# Altium PCB TempdevAmmy0820.PcbDoc (part 2 of 3) (continued)
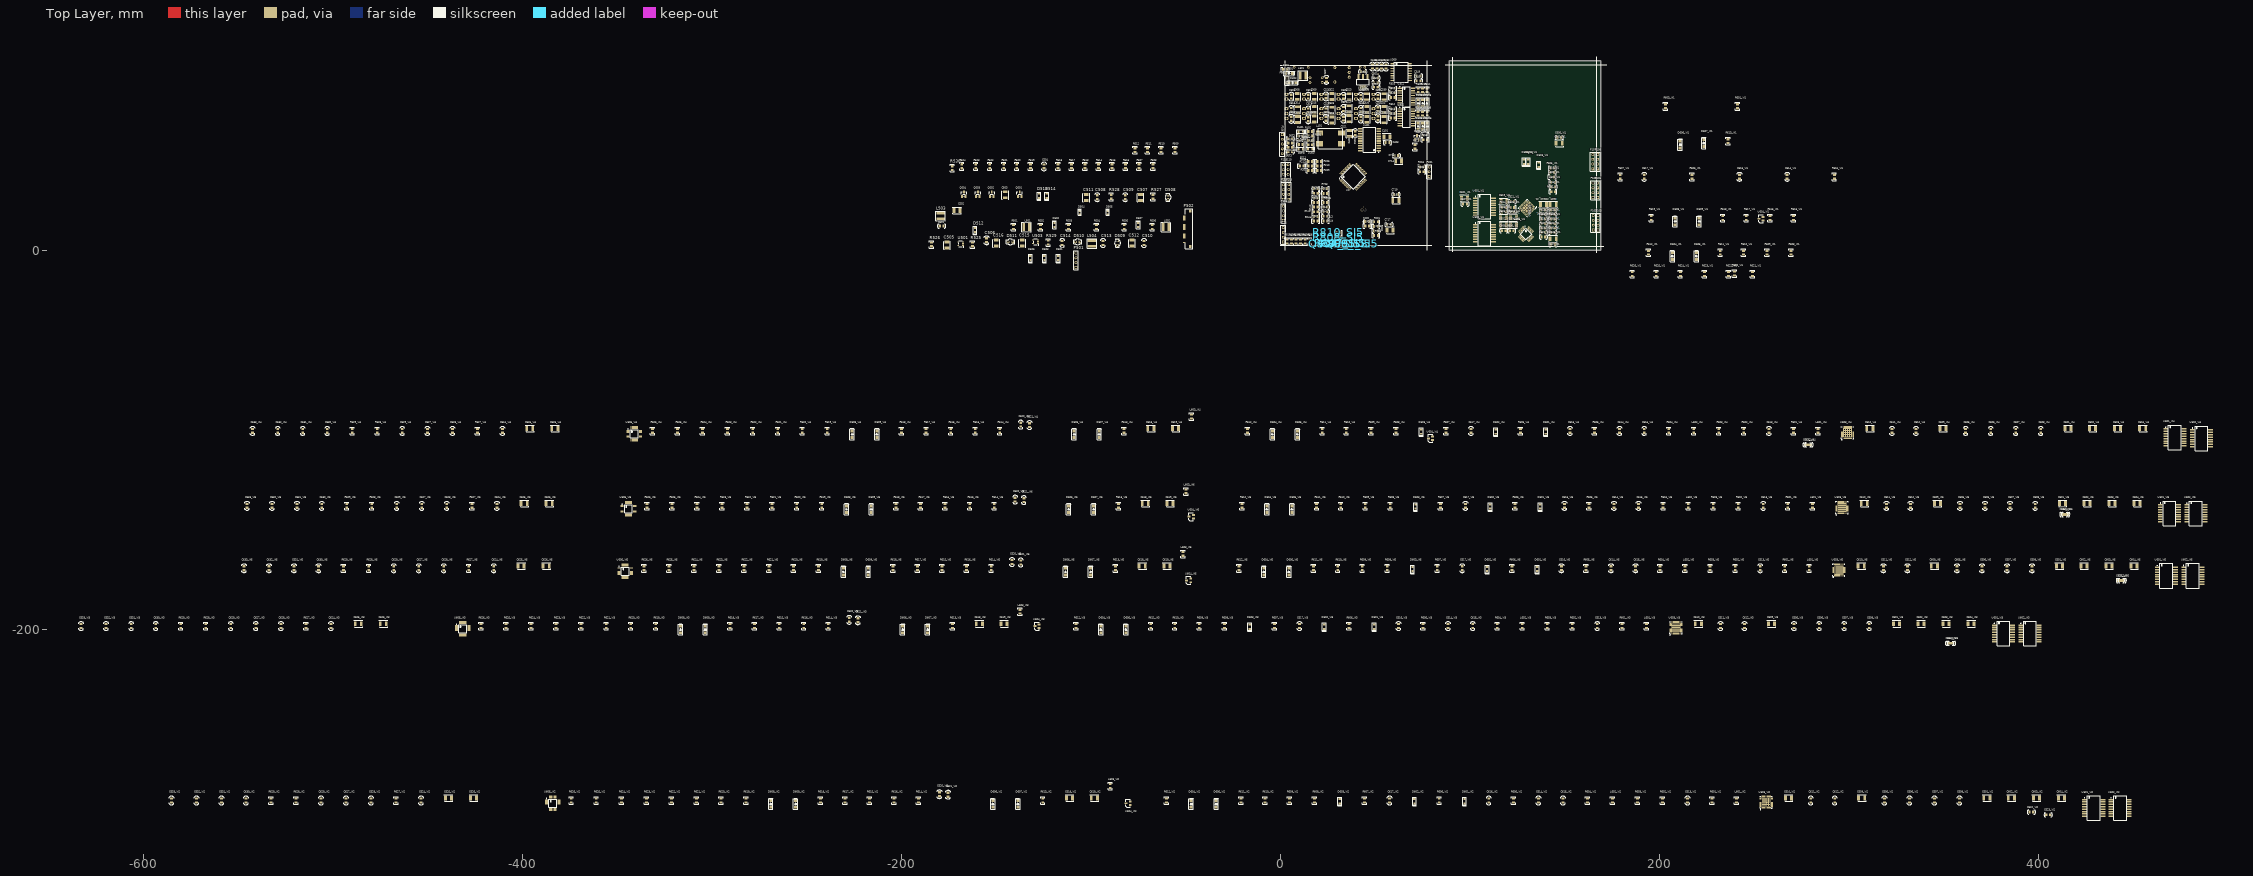
[diagram p0: Top Layer view]
## Components (designator, comment, footprint, x,y, rotation, side; value= is the part's Value field where it differs from the comment) (continued)
R627_VI4 "" 0805R -423.824,-95.377 r90 top value=150K (schematic designator R627)
R627_VI5 "" 0805R -428.371,-167.894 r90 top value=150K (schematic designator R627)
R627_VI6 "" 0805R -426.761,-134.94 r90 top value=150K (schematic designator R627)
R628_VI1 "" 0805R 143.764,16.383 r0 top value=1.2M (schematic designator R628)
R628_VI2 "" 0805R -519.557,-290.449 r90 top value=1.2M (schematic designator R628)
R628_VI3 "" 0805R -567.182,-198.374 r90 top value=1.2M (schematic designator R628)
R628_VI4 "" 0805R -476.656,-95.377 r90 top value=1.2M (schematic designator R628)
R628_VI5 "" 0805R -481.203,-167.894 r90 top value=1.2M (schematic designator R628)
R628_VI6 "" 0805R -479.593,-134.94 r90 top value=1.2M (schematic designator R628)
R629_VI1 "" 0805R 138.811,18.796 r180 top value=1.2M (schematic designator R629)
R629_VI2 "" 0805R -532.765,-290.449 r90 top value=1.2M (schematic designator R629)
R629_VI3 "" 0805R -580.39,-198.374 r90 top value=1.2M (schematic designator R629)
R629_VI4 "" 0805R -489.864,-95.377 r90 top value=1.2M (schematic designator R629)
R629_VI5 "" 0805R -494.411,-167.894 r90 top value=1.2M (schematic designator R629)
R629_VI6 "" 0805R -492.801,-134.94 r90 top value=1.2M (schematic designator R629)
R701 "RC0805JR-075600RL" 0805R 18.669,25.146 r0 top value=5.6K
R702 "RC0805JR-071KL" 0805R 18.653,27.559 r0 top value=1K
R703 "RC0805JR-071KL" 0805R 23.733,32.512 r0 top value=1K
R704 "RC0805JR-07470RL" 0805R 23.733,29.972 r0 top value=470
R705 "RC0805JR-000KL" 0805R 50.419,7.747 r0 top value=0R
R706 "RC0805JR-071KL" 0805R 23.749,15.494 r180 top value=1K
R707 "RC0805JR-075600RL" 0805R 18.653,15.494 r0 top value=5.6K
R708 "RC0805JR-071KL" 0805R 18.669,17.78 r180 top value=1K
R801_SI1 "RC0805JR-0710KL" 0805R 67.564,60.325 r0 bottom value=10K (schematic designator R801)
R801_SI2 "RC0805JR-0710KL" 0805R 25.019,59.309 r0 bottom value=10K (schematic designator R801)
R801_SI3 "RC0805JR-0710KL" 0805R 32.131,32.639 r0 bottom value=10K (schematic designator R801)
R801_SI4 "RC0805JR-0710KL" 0805R 30.099,46.99 r0 bottom value=10K (schematic designator R801)
R801_SI5 "RC0805JR-0710KL" 0805R 28.448,9.525 r0 bottom value=10K (schematic designator R801)
R801_SI6 "RC0805JR-0710KL" 0805R 28.575,22.606 r0 bottom value=10K (schematic designator R801)
R802_SI1 "RC0805JR-0710KL" 0805R 63.119,60.325 r0 bottom value=10K (schematic designator R802)
R802_SI2 "RC0805JR-0710KL" 0805R 20.828,59.563 r0 bottom value=10K (schematic designator R802)
R802_SI3 "RC0805JR-0710KL" 0805R 27.178,34.671 r0 bottom value=10K (schematic designator R802)
R802_SI4 "RC0805JR-0710KL" 0805R 25.146,46.99 r0 bottom value=10K (schematic designator R802)
R802_SI5 "RC0805JR-0710KL" 0805R 24.13,9.525 r0 bottom value=10K (schematic designator R802)
R802_SI6 "RC0805JR-0710KL" 0805R 24.13,22.606 r0 bottom value=10K (schematic designator R802)
R803_SI1 "RC0805JR-0710KL" 0805R 63.119,62.738 r0 bottom value=10K (schematic designator R803)
R803_SI2 "RC0805JR-0710KL" 0805R 20.828,61.976 r0 bottom value=10K (schematic designator R803)
R803_SI3 "RC0805JR-0710KL" 0805R 27.178,37.084 r0 bottom value=10K (schematic designator R803)
R803_SI4 "RC0805JR-0710KL" 0805R 25.146,49.403 r0 bottom value=10K (schematic designator R803)
R803_SI5 "RC0805JR-0710KL" 0805R 24.13,11.938 r0 bottom value=10K (schematic designator R803)
R803_SI6 "RC0805JR-0710KL" 0805R 24.13,25.019 r0 bottom value=10K (schematic designator R803)
R804_SI1 "RC0805JR-0710KL" 0805R 67.564,57.912 r0 bottom value=10K (schematic designator R804)
R804_SI2 "RC0805JR-0710KL" 0805R 25.019,56.896 r0 bottom value=10K (schematic designator R804)
R804_SI3 "RC0805JR-0710KL" 0805R 32.131,30.226 r0 bottom value=10K (schematic designator R804)
R804_SI4 "RC0805JR-0710KL" 0805R 30.099,44.577 r0 bottom value=10K (schematic designator R804)
R804_SI5 "RC0805JR-0710KL" 0805R 28.448,7.239 r0 bottom value=10K (schematic designator R804)
R804_SI6 "RC0805JR-0710KL" 0805R 28.575,20.193 r0 bottom value=10K (schematic designator R804)
R805_SI1 "RC0805JR-0710KL" 0805R 72.009,60.325 r0 bottom value=10K (schematic designator R805)
R805_SI2 "RC0805JR-0710KL" 0805R 29.894,59.187 r0 bottom value=10K (schematic designator R805)
R805_SI3 "RC0805JR-0710KL" 0805R 44.704,47.625 r0 bottom value=10K (schematic designator R805)
R805_SI4 "RC0805JR-0710KL" 0805R 34.925,46.99 r0 bottom value=10K (schematic designator R805)
R805_SI5 "RC0805JR-0710KL" 0805R 32.893,9.525 r0 bottom value=10K (schematic designator R805)
R805_SI6 "RC0805JR-0710KL" 0805R 37.846,11.811 r0 bottom value=10K (schematic designator R805)
R806_SI1 "RC0805JR-0710KL" 0805R 72.009,57.912 r0 bottom value=10K (schematic designator R806)
R806_SI2 "RC0805JR-0710KL" 0805R 29.894,56.774 r0 bottom value=10K (schematic designator R806)
R806_SI3 "RC0805JR-0710KL" 0805R 44.704,45.212 r0 bottom value=10K (schematic designator R806)
R806_SI4 "RC0805JR-0710KL" 0805R 34.925,44.577 r0 bottom value=10K (schematic designator R806)
R806_SI5 "RC0805JR-0710KL" 0805R 32.893,7.239 r0 bottom value=10K (schematic designator R806)
R806_SI6 "RC0805JR-0710KL" 0805R 37.846,9.398 r0 bottom value=10K (schematic designator R806)
R807_SI1 "RC0805JR-0720RL" 0805R 76.454,57.785 r0 bottom value=20 (schematic designator R807)
R807_SI2 "RC0805JR-0720RL" 0805R 34.29,56.769 r0 bottom value=20 (schematic designator R807)
R807_SI3 "RC0805JR-0720RL" 0805R 33.258,18.796 r0 bottom value=20 (schematic designator R807)
R807_SI4 "RC0805JR-0720RL" 0805R 39.132,49.403 r180 bottom value=20 (schematic designator R807)
R807_SI5 "RC0805JR-0720RL" 0805R 31.623,3.551 r90 top value=20 (schematic designator R807)
R807_SI6 "RC0805JR-0720RL" 0805R 37.957,4.572 r0 bottom value=20 (schematic designator R807)
R808_SI1 "RC0805JR-0710KL" 0805R 75.438,49.784 r270 bottom value=10K (schematic designator R808)
R808_SI2 "RC0805JR-0710KL" 0805R 38.735,59.182 r0 bottom value=10K (schematic designator R808)
R808_SI3 "RC0805JR-0710KL" 0805R 37.846,16.637 r0 bottom value=10K (schematic designator R808)
R808_SI4 "RC0805JR-0710KL" 0805R 44.704,50.038 r0 bottom value=10K (schematic designator R808)
R808_SI5 "RC0805JR-0710KL" 0805R 30.607,6.858 r0 top value=10K (schematic designator R808)
R808_SI6 "RC0805JR-0710KL" 0805R 42.164,2.286 r0 bottom value=10K (schematic designator R808)
R809_SI1 "RC0805JR-0710KL" 0805R 76.454,60.198 r180 bottom value=10K (schematic designator R809)
R809_SI2 "RC0805JR-0710KL" 0805R 34.29,59.182 r180 bottom value=10K (schematic designator R809)
R809_SI3 "RC0805JR-0710KL" 0805R 33.274,21.082 r180 bottom value=10K (schematic designator R809)
R809_SI4 "RC0805JR-0710KL" 0805R 34.941,49.403 r180 bottom value=10K (schematic designator R809)
R809_SI5 "RC0805JR-0710KL" 0805R 34.544,3.429 r270 top value=10K (schematic designator R809)
R809_SI6 "RC0805JR-0710KL" 0805R 37.846,6.985 r180 bottom value=10K (schematic designator R809)
R810_SI1 "RC0805JR-0710KL" 0805R 77.851,49.784 r270 bottom value=10K (schematic designator R810)
R810_SI2 "RC0805JR-0710KL" 0805R 38.735,56.769 r0 bottom value=10K (schematic designator R810)
R810_SI3 "RC0805JR-0710KL" 0805R 37.846,14.224 r0 bottom value=10K (schematic designator R810)
R810_SI4 "RC0805JR-0710KL" 0805R 44.704,52.451 r0 bottom value=10K (schematic designator R810)
R810_SI5 "RC0805JR-0710KL" 0805R 30.607,9.398 r0 top value=10K (schematic designator R810)
R810_SI6 "RC0805JR-0710KL" 0805R 42.164,4.826 r0 bottom value=10K (schematic designator R810)
R811_SI1 "RC0805JR-0710KL" 0805R 53.467,59.817 r180 bottom value=10K (schematic designator R811)
R811_SI2 "RC0805JR-0710KL" 0805R 11.573,59.563 r180 bottom value=10K (schematic designator R811)
R811_SI3 "RC0805JR-0710KL" 0805R 17.796,34.671 r180 bottom value=10K (schematic designator R811)
R811_SI4 "RC0805JR-0710KL" 0805R 15.764,46.863 r180 bottom value=10K (schematic designator R811)
R811_SI5 "RC0805JR-0710KL" 0805R 14.875,9.525 r180 bottom value=10K (schematic designator R811)
R811_SI6 "RC0805JR-0710KL" 0805R 14.748,22.606 r180 bottom value=10K (schematic designator R811)
R812_SI1 "RC0805JR-0720RL" 0805R 53.467,62.103 r180 bottom value=20 (schematic designator R812)
R812_SI2 "RC0805JR-0720RL" 0805R 11.573,61.976 r180 bottom value=20 (schematic designator R812)
R812_SI3 "RC0805JR-0720RL" 0805R 17.796,37.084 r180 bottom value=20 (schematic designator R812)
R812_SI4 "RC0805JR-0720RL" 0805R 15.764,49.276 r180 bottom value=20 (schematic designator R812)
R812_SI5 "RC0805JR-0720RL" 0805R 14.875,11.938 r180 bottom value=20 (schematic designator R812)
R812_SI6 "RC0805JR-0720RL" 0805R 14.748,25.019 r180 bottom value=20 (schematic designator R812)
R813_SI1 "RC0805JR-0720RL" 0805R 63.119,57.912 r180 bottom value=20 (schematic designator R813)
R813_SI2 "RC0805JR-0720RL" 0805R 20.828,57.15 r180 bottom value=20 (schematic designator R813)
R813_SI3 "RC0805JR-0720RL" 0805R 27.178,32.258 r180 bottom value=20 (schematic designator R813)
R813_SI4 "RC0805JR-0720RL" 0805R 25.146,44.577 r180 bottom value=20 (schematic designator R813)
R813_SI5 "RC0805JR-0720RL" 0805R 24.146,7.239 r180 bottom value=20 (schematic designator R813)
R813_SI6 "RC0805JR-0720RL" 0805R 24.146,20.193 r180 bottom value=20 (schematic designator R813)
R814_SI1 "RC0805JR-0710KL" 0805R 63.135,55.499 r180 bottom value=10K (schematic designator R814)
R814_SI2 "RC0805JR-0710KL" 0805R 20.844,54.737 r180 bottom value=10K (schematic designator R814)
R814_SI3 "RC0805JR-0710KL" 0805R 27.178,29.845 r180 bottom value=10K (schematic designator R814)
R814_SI4 "RC0805JR-0710KL" 0805R 25.146,42.164 r180 bottom value=10K (schematic designator R814)
R814_SI5 "RC0805JR-0710KL" 0805R 24.146,4.953 r180 bottom value=10K (schematic designator R814)
R814_SI6 "RC0805JR-0710KL" 0805R 24.13,17.907 r180 bottom value=10K (schematic designator R814)
R815_SI1 "RC0805JR-07100RL" 0805R 53.467,57.531 r0 bottom value=100R (schematic designator R815)
R815_SI2 "RC0805JR-07100RL" 0805R 11.557,57.15 r0 bottom value=100R (schematic designator R815)
R815_SI3 "RC0805JR-07100RL" 0805R 17.78,32.258 r0 bottom value=100R (schematic designator R815)
R815_SI4 "RC0805JR-07100RL" 0805R 15.748,44.45 r0 bottom value=100R (schematic designator R815)
R815_SI5 "RC0805JR-07100RL" 0805R 14.732,7.239 r0 bottom value=100R (schematic designator R815)
R815_SI6 "RC0805JR-07100RL" 0805R 14.732,20.193 r0 bottom value=100R (schematic designator R815)
R816_SI1 "RC0805JR-071KL" 0805R 53.483,53.213 r180 bottom value=1K (schematic designator R816)
R816_SI2 "RC0805JR-071KL" 0805R 11.573,52.451 r180 bottom value=1K (schematic designator R816)
R816_SI3 "RC0805JR-071KL" 0805R 17.796,27.559 r180 bottom value=1K (schematic designator R816)
R816_SI4 "RC0805JR-071KL" 0805R 15.764,39.878 r180 bottom value=1K (schematic designator R816)
R816_SI5 "RC0805JR-071KL" 0805R 14.859,2.54 r180 bottom value=1K (schematic designator R816)
R816_SI6 "RC0805JR-071KL" 0805R 14.748,15.621 r180 bottom value=1K (schematic designator R816)
R817_SI1 "RC0805JR-071KL" 0805R 49.403,53.213 r180 bottom value=1K (schematic designator R817)
R817_SI2 "RC0805JR-071KL" 0805R 7.636,52.451 r180 bottom value=1K (schematic designator R817)
R817_SI3 "RC0805JR-071KL" 0805R 13.224,27.559 r180 bottom value=1K (schematic designator R817)
R817_SI4 "RC0805JR-071KL" 0805R 11.446,39.878 r180 bottom value=1K (schematic designator R817)
R817_SI5 "RC0805JR-071KL" 0805R 10.303,2.54 r180 bottom value=1K (schematic designator R817)
R817_SI6 "RC0805JR-071KL" 0805R 10.176,15.621 r180 bottom value=1K (schematic designator R817)
R818_SI1 "RC0805JR-07100RL" 0805R 44.688,54.864 r0 bottom value=100R (schematic designator R818)
R818_SI2 "RC0805JR-07100RL" 0805R 3.667,52.451 r0 bottom value=100R (schematic designator R818)
R818_SI3 "RC0805JR-07100RL" 0805R 8.874,27.559 r0 bottom value=100R (schematic designator R818)
R818_SI4 "RC0805JR-07100RL" 0805R 7.207,39.878 r0 bottom value=100R (schematic designator R818)
R818_SI5 "RC0805JR-07100RL" 0805R 5.318,2.54 r0 bottom value=100R (schematic designator R818)
R818_SI6 "RC0805JR-07100RL" 0805R 5.445,15.621 r0 bottom value=100R (schematic designator R818)
R819_SI1 "RC0805JR-07470RL" 0805R 15.494,4.556 r90 top value=470 (schematic designator R819)
R819_SI2 "RC0805JR-07470RL" 0805R 13.081,4.572 r90 top value=470 (schematic designator R819)
R819_SI3 "RC0805JR-07470RL" 0805R 8.255,4.556 r90 top value=470 (schematic designator R819)
R819_SI4 "RC0805JR-07470RL" 0805R 10.668,4.556 r90 top value=470 (schematic designator R819)
R819_SI5 "RC0805JR-07470RL" 0805R 3.429,4.556 r90 top value=470 (schematic designator R819)
R819_SI6 "RC0805JR-07470RL" 0805R 5.842,4.556 r90 top value=470 (schematic designator R819)
U1 "STC8H8K64U_QFN64" LQFP64S(12x12) 31.692,37.345 r45 top (schematic designator U201)
U301 "A05_S-1WR3" A_S-1WR3 3.175,82.296 r270 bottom
U302 "A05_S-1WR3" A_S-1WR3 12.446,82.296 r270 bottom
U303 "WRB_ST(SD)-3WR2" WRB_SD-3WR2 28.702,88.773 r0 bottom
U304 "A05_S-1WR3" A_S-1WR3 21.59,82.296 r270 bottom locked
U305 "A05_S-1WR3" A_S-1WR3 30.734,82.296 r270 bottom
U306 "LM1117IMP" SOT-223 43.561,91.694 r90 top
U307 "A05_S-1WR3" A_S-1WR3 39.878,82.296 r270 bottom
U308 "A05_S-1WR3" A_S-1WR3 49.149,82.296 r270 bottom
U309 "B0505ST16-W5" SOP16-1.27(V2) 59.026,98.425 r0 top
U310 "HCPL063A" SOIC-8 63.5,88.011 r0 bottom
U311 "TLP293-4" SO-16 62.921,74.549 r0 top
U312 "TLP293-4" SO-16 62.921,85.471 r0 top
U401 "ADM2582E" SOIC-20-W 51.84,52.578 r180 top
U501 "TPS61040DBV" sot-23-5 -167.259,1.778 r0 top
U503 "TPS61040DBV" sot-23-5 -127.762,2.794 r0 top
U601_VI1 "ADuM262N" SOIC-16(RI-16-2) 107.695,22.987 r0 top (schematic designator U601)
U601_VI2 "ADuM262N" SOIC-16(RI-16-2) 429.26,-294.386 r0 top (schematic designator U601)
U601_VI3 "ADuM262N" SOIC-16(RI-16-2) 381.635,-202.311 r0 top (schematic designator U601)
U601_VI4 "ADuM262N" SOIC-16(RI-16-2) 472.059,-98.806 r0 top (schematic designator U601)
U601_VI5 "ADuM262N" SOIC-16(RI-16-2) 467.614,-171.831 r0 top (schematic designator U601)
U601_VI6 "ADuM262N" SOIC-16(RI-16-2) 469.224,-138.877 r0 top (schematic designator U601)
U602_VI1 "ADuM262N" SOIC-16(RI-16-2) 107.697,8.89 r0 top (schematic designator U602)
U602_VI2 "ADuM262N" SOIC-16(RI-16-2) 443.23,-294.386 r0 top (schematic designator U602)
U602_VI3 "ADuM262N" SOIC-16(RI-16-2) 395.605,-202.311 r0 top (schematic designator U602)
U602_VI4 "ADuM262N" SOIC-16(RI-16-2) 486.131,-99.314 r0 top (schematic designator U602)
U602_VI5 "ADuM262N" SOIC-16(RI-16-2) 481.584,-171.831 r0 top (schematic designator U602)
U602_VI6 "ADuM262N" SOIC-16(RI-16-2) 483.194,-138.877 r0 top (schematic designator U602)
U603_VI1 "AD5753" CP-40-15(QFN40) 130.181,22.247 r225 top (schematic designator U603)
U603_VI2 "AD5753" CP-40-15(QFN40) 256.413,-291.338 r90 top (schematic designator U603)
U603_VI3 "AD5753" CP-40-15(QFN40) 208.788,-199.263 r90 top (schematic designator U603)
U603_VI4 "AD5753" CP-40-15(QFN40) 299.314,-96.266 r90 top (schematic designator U603)
U603_VI5 "AD5753" CP-40-15(QFN40) 294.767,-168.783 r90 top (schematic designator U603)
U603_VI6 "AD5753" CP-40-15(QFN40) 296.377,-135.829 r90 top (schematic designator U603)
U604_VI1 "TL431" SOT-23-3 254.762,15.669 r90 top (schematic designator U604)
U604_VI2 "TL431" SOT-23-3 -79.248,-292.862 r90 top (schematic designator U604)
U604_VI3 "TL431" SOT-23-3 -127.381,-199.39 r90 top (schematic designator U604)
U604_VI4 "TL431" SOT-23-3 80.305,-100.264 r90 top (schematic designator U604)
U604_VI5 "TL431" SOT-23-3 -47.346,-175.255 r90 top (schematic designator U604)
U604_VI6 "TL431" SOT-23-3 -45.974,-141.605 r90 top (schematic designator U604)
U605_VI1 "DAC8742H" S-PQFP-G32 129.587,8.494 r315 top (schematic designator U605)
U605_VI2 "DAC8742H" S-PQFP-G32 -384.048,-291.973 r0 top (schematic designator U605)
U605_VI3 "DAC8742H" S-PQFP-G32 -431.673,-199.898 r0 top (schematic designator U605)
U605_VI4 "DAC8742H" S-PQFP-G32 -341.147,-96.901 r0 top (schematic designator U605)
U605_VI5 "DAC8742H" S-PQFP-G32 -345.694,-169.418 r0 top (schematic designator U605)
U605_VI6 "DAC8742H" S-PQFP-G32 -344.084,-136.464 r0 top (schematic designator U605)
U701 "AD7124-8" TI-RHB32-3150X3150TP_V 43.821,21.286 r45 bottom
U702 "ADuM260N" SOIC-16 56.261,32.637 r270 bottom
U703 "ADuM260N" SOIC-16 56.261,48.893 r270 bottom
U704 "ADuM241D" SOIC-16 56.261,16.256 r270 bottom

## Footprints (in the part's own frame and the unit in brackets; to place one, negate y for a bottom-side part, rotate by r counter-clockwise, add the part's x,y. Pads: shape width x height; smd on the part's side, far side on the other; paste and mask are expansions set on the pad)
10D470K [mm]
  round 1.4 hole 0.7: 1(-3.75,0) 2(3.75,0)
  silkscreen extent -6.5,-2.7 6.5,2.7
0805C [mm]
  rect 1.2x1.5 smd: 1(-1.016,0) 2(1.032,0)
  silkscreen extent -2.25,-1.14 2.25,1.14
0805R [mm]
  rect 1.2x1.5 smd: 1(-1.016,0) 2(1.032,0)
  silkscreen extent -2.03,-1.14 2.03,1.14
A_S-1WR3 [mm]
  oval 1.6x2.3 hole 1: 1(0,0) 2(2.54,0) 4(7.62,0) 5(10.16,0) 6(12.7,0)
  silkscreen extent -2.85,-5.6 17.9,1.7
ACM1513-改版 [mm] "原封装引脚错了-改版将引脚更改"
  rect 3.7x2.8 smd: 1(0,0) 2(0,5.611) 3(11.468,5.611) 4(11.468,0)
  silkscreen extent -0.75,-2.54 12.19,8.26
CB [mm]
  rect 2.5x1.524 smd: 1(0,0) 2(0,-3.2)
  silkscreen extent -1.78,-3.9 1.78,0.51
CE-5*11(-) [mm]
  round 1 hole 0.5: 1(-1.25,0) 2(1.25,0)
  silkscreen extent -3.43,-2.6 3.05,2.6
CE-6.3*11.5(-) [mm]
  round 1.4 hole 0.7: 1(-1.25,0) 2(1.25,0)
  silkscreen extent -4.06,-3.2 3.68,3.2
CP-40-15(QFN40) [mm] "QFN, 40-Leads, Body 6.00x6.00mm, Pitch 0.50mm, Thermal Pad 4.60x4.60mm, IPC Low Density"
  rect 0.95x0.35 smd: 1(-2.975,2.25) 2(-2.975,1.75) 3(-2.975,1.25) 4(-2.975,0.75) 5(-2.975,0.25) 6(-2.975,-0.25) 7(-2.975,-0.75) 8(-2.975,-1.25) 9(-2.975,-1.75) 10(-2.975,-2.25) 21(2.975,-2.25) 22(2.975,-1.75) 23(2.975,-1.25) 24(2.975,-0.75) 25(2.975,-0.25) 26(2.975,0.25) 27(2.975,0.75) 28(2.975,1.25) 29(2.975,1.75) 30(2.975,2.25)
  rect 0.35x0.95 smd: 11(-2.25,-2.975) 12(-1.75,-2.975) 13(-1.25,-2.975) 14(-0.75,-2.975) 15(-0.25,-2.975) 16(0.25,-2.975) 17(0.75,-2.975) 18(1.25,-2.975) 19(1.75,-2.975) 20(2.25,-2.975) 31(2.25,2.975) 32(1.75,2.975) 33(1.25,2.975) 34(0.75,2.975) 35(0.25,2.975) 36(-0.25,2.975) 37(-0.75,2.975) 38(-1.25,2.975) 39(-1.75,2.975) 40(-2.25,2.975)
  rect 4.6x4.6 smd: 41(0,0)
  silkscreen extent -3.97,-3.2 3.2,3.2, body extent -3.1,-3.1 3.1,3.1, height 1
FPC30 [mil]
  rect 11.8x51.2 smd mask+2: 1(0.4,2.2) 2(20,2.2) 3(39.7,2.2) 4(59.3,2.2) 5(79,2.2) 6(98.7,2.2) 7(118.4,2.2) 8(138.1,2.2) 9(157.8,2.2) 10(177.5,2.2) 11(197.1,2.2) 12(216.8,2.2) 13(236.5,2.2) 14(256.2,2.2) 15(275.9,2.2) 16(295.6,2.2) 17(315.3,2.2) 18(334.9,2.2) 19(354.6,2.2) 20(374.3,2.2) 21(394,2.2) 22(413.8,2.2) 23(433.4,2.2) 24(453,2.2) 25(472.7,2.2) 26(492.4,2.2) 27(512.1,2.2) 28(531.8,2.2) 29(551.5,2.2) 30(571.2,2.2)
  rect 59.1x51.2 smd mask+2: 31(-82.3,-123.8) 32(653.9,-123.8)
  silkscreen extent -128,-175 699,-14
FPC60 [mm]
  rect 0.3x0.9 smd: 1(0.01,-0.088) 2(0.51,-0.088) 3(1.01,-0.088) 4(1.51,-0.088) 5(2.01,-0.088) 6(2.51,-0.088) 7(3.01,-0.088) 8(3.51,-0.088) 9(4.01,-0.088) 10(4.51,-0.088) 11(5.01,-0.088) 12(5.51,-0.088) 13(6.01,-0.088) 14(6.51,-0.088) 15(7.01,-0.088) 16(7.51,-0.088) 17(8.01,-0.088) 18(8.51,-0.088) 19(9.01,-0.088) 20(9.51,-0.088) 21(10.01,-0.088) 22(10.51,-0.088) 23(11.01,-0.088) 24(11.51,-0.088) 25(12.01,-0.088) 26(12.51,-0.088) 27(13.01,-0.088) 28(13.51,-0.088) 29(14.01,-0.088) 30(14.51,-0.088) 31(15.01,-0.088) 32(15.51,-0.088) 33(16.01,-0.088) 34(16.51,-0.088) 35(17.01,-0.088) 36(17.51,-0.088) 37(18.01,-0.088) 38(18.51,-0.088) 39(19.01,-0.088) 40(19.51,-0.088) 41(20.01,-0.088) 42(20.51,-0.088) 43(21.01,-0.088) 44(21.51,-0.088) 45(22.01,-0.088) 46(22.51,-0.088) 47(23.01,-0.088) 48(23.51,-0.088) 49(24.01,-0.088) 50(24.51,-0.088) 51(25.01,-0.088) 52(25.51,-0.088) 53(26.01,-0.088) 54(26.51,-0.088) 55(27.01,-0.088) 56(27.51,-0.088) 57(28.01,-0.088) 58(28.51,-0.088) 59(29.01,-0.088) 60(29.51,-0.088)
  rect 0.8x2 smd: 61(31.21,-3.238) 62(-1.69,-3.238)
  silkscreen extent -2.39,-5.59 31.91,-0.05
HDR1X2 [mm] "Connector; Header; 2 Position"
  rect 1.5x1.5 hole 0.9: 1(0,0)
  round 1.5 hole 0.9: 2(2.54,0)
  silkscreen extent -1.27,-1.27 3.81,1.27
HDR1X3 [mm] "Connector; Header; 3 Position"
  rect 1.5x1.5 hole 0.9: 1(0,0)
  round 1.5 hole 0.9: 2(2.54,0) 3(5.08,0)
  silkscreen extent -1.27,-1.27 6.35,1.27
HDR1X4 [mm] "Connector; Header; 4 Position"
  rect 1.5x1.5 hole 0.9: 1(0,0)
  round 1.5 hole 0.9: 2(2.54,0) 3(5.08,0) 4(7.62,0)
  silkscreen extent -1.27,-1.27 8.89,1.27
HDR1X5 [mm] "Connector; Header; 5 Position"
  rect 1.5x1.5 hole 0.9: 1(0,0)
  round 1.5 hole 0.9: 2(2.54,0) 3(5.08,0) 4(7.62,0) 5(10.16,0)
  silkscreen extent -1.27,-1.27 11.43,1.27
LED-3 [mm]
  rect 1.6x1.6 hole 0.9: 1(1.27,0)
  round 1.6 hole 0.9: 2(-1.27,0)
  silkscreen extent -2.2,-1.6 2.2,1.6
LQFP64S(12x12) [mm] "TSQFP, 64-Leads, Body 10.00x10.00mm, Pitch 0.50mm, IPC Medium Density"
  oval 1.45x0.3 smd: 1(0,0) 2(0,-0.5) 3(0,-1) 4(0,-1.5) 5(0,-2) 6(0,-2.5) 7(0,-3) 8(0,-3.5) 9(0,-4) 10(0,-4.5) 11(0,-5) 12(0,-5.5) 13(0,-6) 14(0,-6.5) 15(0,-7) 16(0,-7.5) 33(11.45,-7.5) 34(11.45,-7) 35(11.45,-6.5) 36(11.45,-6) 37(11.45,-5.5) 38(11.45,-5) 39(11.45,-4.5) 40(11.45,-4) 41(11.45,-3.5) 42(11.45,-3) 43(11.45,-2.5) 44(11.45,-2) 45(11.45,-1.5) 46(11.45,-1) 47(11.45,-0.5) 48(11.45,0)
  oval 0.3x1.45 smd: 17(1.975,-9.475) 18(2.475,-9.475) 19(2.975,-9.475) 20(3.475,-9.475) 21(3.975,-9.475) 22(4.475,-9.475) 23(4.975,-9.475) 24(5.475,-9.475) 25(5.975,-9.475) 26(6.475,-9.475) 27(6.975,-9.475) 28(7.475,-9.475) 29(7.975,-9.475) 30(8.475,-9.475) 31(8.975,-9.475) 32(9.475,-9.475) 49(9.475,1.975) 50(8.975,1.975) 51(8.475,1.975) 52(7.975,1.975) 53(7.475,1.975) 54(6.975,1.975) 55(6.475,1.975) 56(5.975,1.975) 57(5.475,1.975) 58(4.975,1.975) 59(4.475,1.975) 60(3.975,1.975) 61(3.475,1.975) 62(2.975,1.975) 63(2.475,1.975) 64(1.975,1.975)
  silkscreen extent -0.12,-8.35 10.33,0.85, body extent 0.72,-8.75 10.72,1.25, height 1.6
S-PQFP-G32 [mm] "TSQFP, 32-Leads, Body 5.00x5.00mm, Pitch 0.50mm, IPC Low Density"
  rect 1.6x0.35 smd: 1(-3.3,1.75) 2(-3.3,1.25) 3(-3.3,0.75) 4(-3.3,0.25) 5(-3.3,-0.25) 6(-3.3,-0.75) 7(-3.3,-1.25) 8(-3.3,-1.75) 17(3.3,-1.75) 18(3.3,-1.25) 19(3.3,-0.75) 20(3.3,-0.25) 21(3.3,0.25) 22(3.3,0.75) 23(3.3,1.25) 24(3.3,1.75)
  rect 0.35x1.6 smd: 9(-1.75,-3.3) 10(-1.25,-3.3) 11(-0.75,-3.3) 12(-0.25,-3.3) 13(0.25,-3.3) 14(0.75,-3.3) 15(1.25,-3.3) 16(1.75,-3.3) 25(1.75,3.3) 26(1.25,3.3) 27(0.75,3.3) 28(0.25,3.3) 29(-0.25,3.3) 30(-0.75,3.3) 31(-1.25,3.3) 32(-1.75,3.3)
  silkscreen extent -3.42,-2.1 2.1,2.6, body extent -3.5,-3.5 3.5,3.5, height 1.2
SO-16 [mm]
  rect 2.2x0.65 smd: 1(0.056,0) 2(0.056,-1.27) 3(0.056,-2.54) 4(0.056,-3.81) 5(0.056,-5.08) 6(0.056,-6.35) 7(0.056,-7.62) 8(0.056,-8.89) 9(7.056,-8.89) 10(7.056,-7.62) 11(7.056,-6.35) 12(7.056,-5.08) 13(7.056,-3.81) 14(7.056,-2.54) 15(7.056,-1.27) 16(7.056,0)
  silkscreen extent -0.07,-9.74 5.56,1
SOD123 [mm]
  rect 1.5x1.5 smd: 1(-1.778,0) 2(1.778,0)
  silkscreen extent -2.92,-1.14 3.05,1.14
SOD323 [mm]
  rect 1x1.2 smd: 1(-1.1,0)
  rect 1x1.3 smd: 2(1.1,0)
  silkscreen extent -2.41,-1 2,1
SOD523 [mm]
  rect 0.9x1.2 smd: 1(-0.8,0) 2(0.8,0)
  silkscreen extent -1.91,-0.8 1.3,0.8
SOIC-8 [mm]
  oval 2.2x0.6 smd: 1(-2.4,1.905) 2(-2.4,0.635) 3(-2.4,-0.635) 4(-2.4,-1.905) 5(2.4,-1.905) 6(2.4,-0.635) 7(2.4,0.635) 8(2.4,1.905)
  silkscreen extent -2.52,-2.5 0.9,2.88
SOIC-16 [mm]
  rect 2.54x0.8 smd: 1(0,0) 2(0,-1.27) 3(0,-2.54) 4(0,-3.81) 5(0,-5.08) 6(0,-6.35) 7(0,-7.62) 8(0,-8.89) 9(9.65,-8.89) 10(9.65,-7.62) 11(9.65,-6.35) 12(9.65,-5.08) 13(9.65,-3.81) 14(9.65,-2.54) 15(9.65,-1.27) 16(9.65,0)
  silkscreen extent -0.12,-10.94 8.23,2.05
SOIC-16(RI-16-2) [mm]
  rect 2.54x0.8 smd: 1(-4.825,4.445) 2(-4.825,3.175) 3(-4.825,1.905) 4(-4.825,0.635) 5(-4.825,-0.635) 6(-4.825,-1.905) 7(-4.825,-3.175) 8(-4.825,-4.445) 9(4.825,-4.445) 10(4.825,-3.175) 11(4.825,-1.905) 12(4.825,-0.635) 13(4.825,0.635) 14(4.825,1.905) 15(4.825,3.175) 16(4.825,4.445)
  silkscreen extent -4.95,-6.5 3.4,6.5, body extent -5.15,-6.5 5.15,6.5, height 2.64
SOIC-20-W [mm]
  rect 2.5x0.85 smd: 1(-0.024,0) 2(-0.024,-1.27) 3(-0.024,-2.54) 4(-0.024,-3.81) 5(-0.024,-5.08) 6(-0.024,-6.35) 7(-0.024,-7.62) 8(-0.024,-8.89) 9(-0.024,-10.16) 10(-0.024,-11.43) 11(9.676,-11.43) 12(9.676,-10.16) 13(9.676,-8.89) 14(9.676,-7.62) 15(9.676,-6.35) 16(9.676,-5.08) 17(9.676,-3.81) 18(9.676,-2.54) 19(9.676,-1.27) 20(9.676,0)
  silkscreen extent -0.15,-12.21 8.23,1
SOP16-1.27(V2) [mm] "金升阳2"
  rect 2x0.6 smd: 1(0,0)
  oval 2x0.6 smd: 2(0,-1.27) 3(0,-2.54) 4(0,-3.81) 5(0,-5.08) 6(0,-6.35) 7(0,-7.62) 8(0,-8.89) 9(9.3,-8.89) 10(9.3,-7.62) 11(9.3,-6.35) 12(9.3,-5.08) 13(9.3,-3.81) 14(9.3,-2.54) 15(9.3,-1.27) 16(9.3,0)
  oval 0.7x0.5 on Top Overlay mask+0.051: ""(0.21,0.762)
  silkscreen extent 0.95,-9.74 8.35,0.78
SOT563 [mm]
  rect 0.8x0.25 smd: 1(-0.038,-0.008) 2(-0.038,-0.508) 3(-0.038,-1.008) 4(1.562,-1.008) 5(1.562,-0.508) 6(1.562,-0.008)
  silkscreen extent -0.76,-1.65 2.29,1.14
SOT-23 [mm] "MMSS8050"
  rect 1x1.6 smd: 1(0.955,2.335) 2(0,0) 3(1.91,0)
  silkscreen extent -0.5,0.14 2.42,2.34
SOT-23(SS8050) [mm]
  rect 1x1.6 smd: 1(0,0) 2(1.91,0) 3(0.955,2.335)
  silkscreen extent -0.5,0.14 2.42,2.34
SOT-23-3 [mm]
  rect 1x1.524 smd: 1(0,0) 2(1.9,0) 3(0.95,2.2)
  silkscreen extent -1.14,0 3.05,2.29, body extent -0.55,-0.23 2.45,2.27, height 0.55
sot-23-5 [mm]
  rect 1x0.6 smd mask+0.051: 1(-0.202,0.701) 2(-0.202,1.651) 3(-0.202,2.601) 4(-2.802,2.601) 5(-2.802,0.701)
  silkscreen extent -2.4,-0.13 0.15,3.2
SOT-223 [mm]
  rect 2.465x1.05 smd: 1(0,-2.3) 2(0,0) 3(0,2.3)
  rect 2.465x3.54 smd: 2(-5.715,0)
  silkscreen extent -4.25,-3.4 -1.46,3.4
TI-RHB32-3150X3150TP_V [mm]
  oval 0.85x0.28 smd: 1(-2.475,1.75) 2(-2.475,1.25) 3(-2.475,0.75) 4(-2.475,0.25) 5(-2.475,-0.25) 6(-2.475,-0.75) 7(-2.475,-1.25) 8(-2.475,-1.75) 17(2.475,-1.75) 18(2.475,-1.25) 19(2.475,-0.75) 20(2.475,-0.25) 21(2.475,0.25) 22(2.475,0.75) 23(2.475,1.25) 24(2.475,1.75)
  oval 0.28x0.85 smd: 9(-1.75,-2.475) 10(-1.25,-2.475) 11(-0.75,-2.475) 12(-0.25,-2.475) 13(0.25,-2.475) 14(0.75,-2.475) 15(1.25,-2.475) 16(1.75,-2.475) 25(1.75,2.475) 26(1.25,2.475) 27(0.75,2.475) 28(0.25,2.475) 29(-0.25,2.475) 30(-0.75,2.475) 31(-1.25,2.475) 32(-1.75,2.475)
  rect 3.15x3.15 smd: 33(0,0)
  silkscreen extent -3.35,-2.58 2.58,2.57
VSL4012#1 [mm]
  rect 4x1.5 smd: 1(0,1.5)
  rect 4x1.3 smd: 2(0,-1.5)
  silkscreen extent -2.5,-2.5 2.5,2.5
VSL4012#2 [mm]
  rect 4.4x1.5 smd: 1(0,1.5) 2(0,-1.5)
  silkscreen extent -2.5,-2.5 2.5,2.5
WRB_SD-3WR2 [mm] "金升阳"
  round 1.6 hole 0.8: 1(0,0) 4(0,-7.62) 5(7.62,-7.62) 6(7.62,-5.08) 7(7.62,-2.54)
  silkscreen extent -3.44,-11.06 11.06,3.44